# Altium PCB 键盘.PcbDoc (part 2 of 10) (continued)
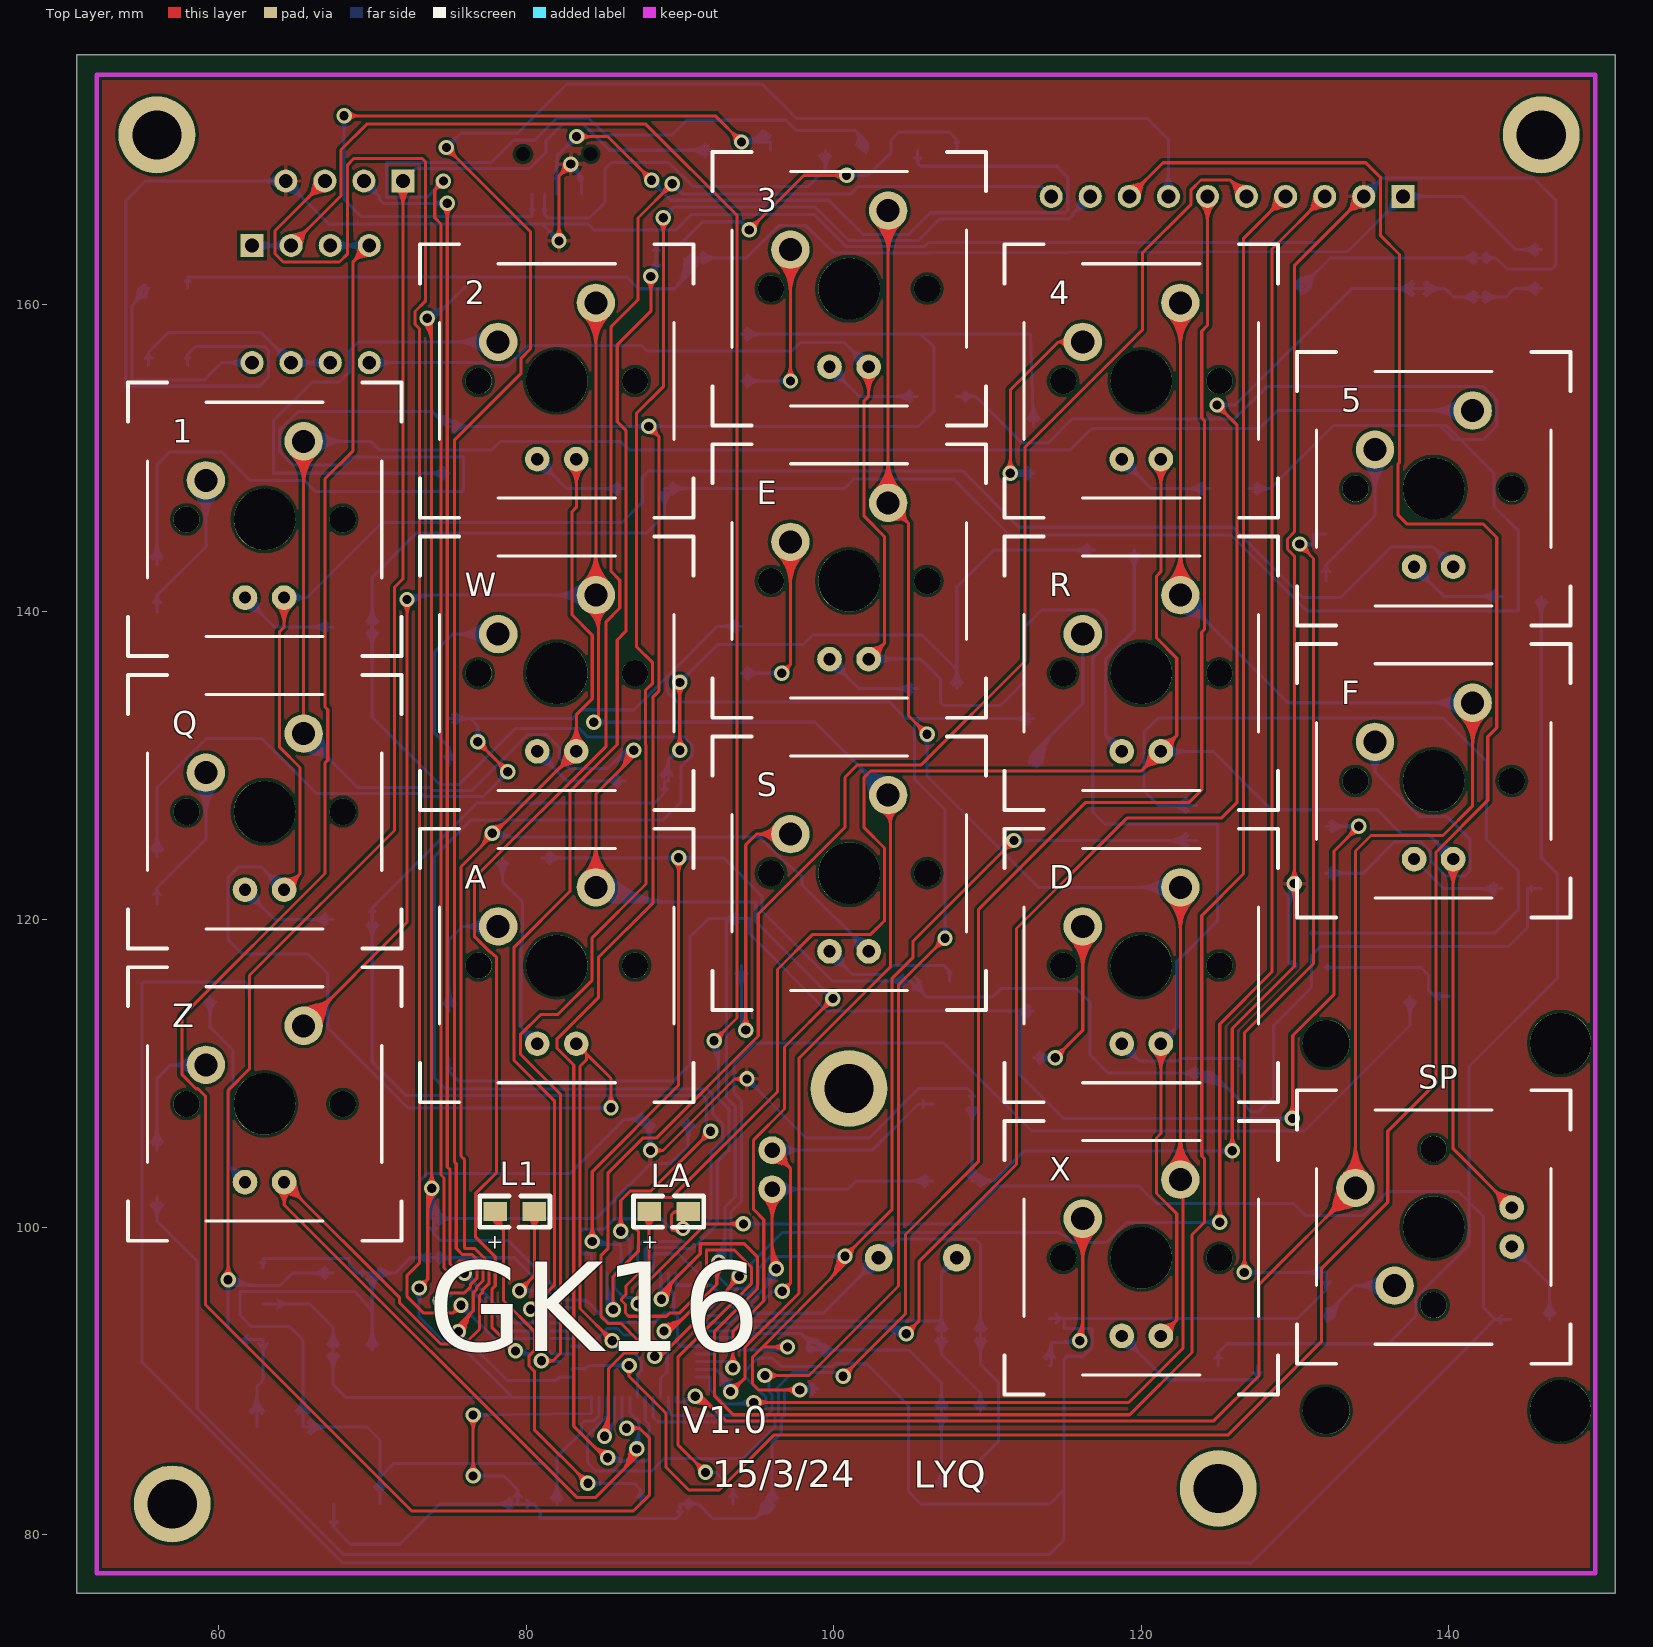
[diagram p0: Top Layer view]
## Nets (pads, with @x,y where several pads share a name; then routed paths per layer and width w, separated by ;. In a path a pad name is that pad's centre, name@x,y a point inside that pad or via, vN(x,y) a via of type N, cw(c..) or ccw(c..) an arc to the next point about the centre after c; other vN are vias at no path point) (continued)
; 107,89.267 ccw(c108.267,89.267) C4.1@107.371,88.371 ; C1.1@108.629,103.371 ccw(c107.733,104.267) 109,104.267 ; C1.1@108.629,103.371 ccw(c107.733,104.267) 109,104.267 ; C1.1@108.629,103.371 ccw(c107.733,104.267) 109,104.267 ; C2.1@108.629,107.629 cw(c107.733,106.733) 109,106.733 ; C2.1@108.629,107.629 cw(c107.733,106.733) 109,106.733 ; C2.1@108.629,107.629 cw(c107.733,106.733) 109,106.733 ; C1.1@108.77,103.23 ccw(c108.215,103.785) 109,103.785 ; C1.1@108.77,103.23 ccw(c108.215,103.785) 109,103.785 ; C1.1@108.77,103.23 ccw(c108.215,103.785) 109,103.785 ; C2.1@108.77,107.77 cw(c108.215,107.215) 109,107.215 ; C2.1@108.77,107.77 cw(c108.215,107.215) 109,107.215 ; C2.1@108.77,107.77 cw(c108.215,107.215) 109,107.215 ; C2.1@108.845,108.502 ccw(c108.78,108.712) 109,108.712 ; C2.1@108.845,108.502 ccw(c108.78,108.712) 109,108.712 ; C2.1@108.845,108.502 ccw(c108.78,108.712) 109,108.712 ; 109,103.785 ccw(c109.785,103.785) C1.1@109.23,103.23 ; 109,103.785 ccw(c109.785,103.785) C1.1@109.23,103.23 ; 109,103.785 ccw(c109.785,103.785) C1.1@109.23,103.23 ; 109,104.267 ccw(c110.267,104.267) C1.1@109.371,103.371 ; 109,104.267 ccw(c110.267,104.267) C1.1@109.371,103.371 ; 109,104.267 ccw(c110.267,104.267) C1.1@109.371,103.371 ; 109,106.733 cw(c110.267,106.733) C2.1@109.371,107.629 ; 109,106.733 cw(c110.267,106.733) C2.1@109.371,107.629 ; 109,106.733 cw(c110.267,106.733) C2.1@109.371,107.629 ; 109,107.215 cw(c109.785,107.215) C2.1@109.23,107.77 ; 109,107.215 cw(c109.785,107.215) C2.1@109.23,107.77 ; 109,107.215 cw(c109.785,107.215) C2.1@109.23,107.77 ; 109,108.712 ccw(c109.22,108.712) C2.1@109.155,108.502 ; 109,108.712 ccw(c109.22,108.712) C2.1@109.155,108.502 ; 109,108.712 ccw(c109.22,108.712) C2.1@109.155,108.502 ; C1.1@109.367,102.77 cw(c109.922,102.215) 109.922,103 ; C1.1@109.367,102.77 cw(c109.922,102.215) 109.922,103 ; C1.1@109.367,102.77 cw(c109.922,102.215) 109.922,103 ; C1.1@109.367,103.23 ccw(c109.922,103.785) 109.922,103 ; C1.1@109.367,103.23 ccw(c109.922,103.785) 109.922,103 ; C1.1@109.367,103.23 ccw(c109.922,103.785) 109.922,103 ; C1.1@109.508,102.629 cw(c110.404,101.733) 110.404,103 ; C1.1@109.508,102.629 cw(c110.404,101.733) 110.404,103 ; C1.1@109.508,102.629 cw(c110.404,101.733) 110.404,103 ; C1.1@109.508,103.371 ccw(c110.404,104.267) 110.404,103 ; C1.1@109.508,103.371 ccw(c110.404,104.267) 110.404,103 ; C1.1@109.508,103.371 ccw(c110.404,104.267) 110.404,103 ; 124.942,104.953 cw(c124.942,103.987) v1@125.625,104.67 ; 124.942,104.953 ccw(c124.942,105.918) v1@125.625,105.236 ; 124.942,104.953 cw(c124.942,103.987) v1@125.625,104.67 ; 124.942,104.953 ccw(c124.942,105.918) v1@125.625,105.236 ; 124.942,104.953 cw(c124.942,103.987) v1@125.625,104.67 ; 124.942,104.953 ccw(c124.942,105.918) v1@125.625,105.236 ; 129.591,117.145 cw(c129.591,116.706) Q1.2@129.906,117.011 ; 129.591,117.145 ccw(c129.591,117.561) Q1.2@129.901,117.283 ; 129.591,117.145 cw(c129.591,116.706) Q1.2@129.906,117.011 ; 129.591,117.145 ccw(c129.591,117.561) Q1.2@129.901,117.283 ; 129.591,117.145 cw(c129.591,116.706) Q1.2@129.906,117.011 ; 129.591,117.145 ccw(c129.591,117.561) Q1.2@129.901,117.283 ; 129.591,117.145 129.591,121.971 v1(129.946,122.326) ; 129.591,120.502 cw(c131.771,120.502) v1@130.229,122.044 ; 129.591,120.502 cw(c131.771,120.502) v1@130.229,122.044 ; 129.591,120.502 cw(c131.771,120.502) v1@130.229,122.044 ; 129.591,120.985 cw(c131.288,120.985) v1@130.088,122.185 ; 129.591,120.985 cw(c131.288,120.985) v1@130.088,122.185 ; 129.591,120.985 cw(c131.288,120.985) v1@130.088,122.185 ; 129.591,121.468 cw(c130.805,121.468) v1(129.946,122.326) ; 129.591,121.468 cw(c130.805,121.468) v1(129.946,122.326) ; 129.591,121.468 cw(c130.805,121.468) v1(129.946,122.326) ; 129.591,121.951 cw(c130.322,121.951) v1@129.805,122.468 ; 129.591,121.951 cw(c130.322,121.951) v1@129.805,122.468 ; 129.591,121.951 cw(c130.322,121.951) v1@129.805,122.468 ; v1@129.619,122.097 cw(c129.378,121.929) 129.632,121.782 ; v1@129.619,122.097 cw(c129.378,121.929) 129.632,121.782 ; v1@129.619,122.097 cw(c129.378,121.929) 129.632,121.782 ; 129.632,121.782 cw(c129.887,121.635) v1@129.912,121.928 ; 129.632,121.782 cw(c129.887,121.635) v1@129.912,121.928 ; 129.632,121.782 cw(c129.887,121.635) v1@129.912,121.928 ; v1@129.648,122.059 cw(c129.305,121.752) 129.704,121.521 ; v1@129.648,122.059 cw(c129.305,121.752) 129.704,121.521 ; v1@129.648,122.059 cw(c129.305,121.752) 129.704,121.521 ; v1@129.724,121.994 cw(c129.501,121.662) 129.836,121.443 ; v1@129.724,121.994 cw(c129.501,121.662) 129.836,121.443 ; v1@129.724,121.994 cw(c129.501,121.662) 129.836,121.443 ; v1@129.797,122.193 cw(c129.521,121.945) 129.842,121.76 ; v1@129.797,122.193 cw(c129.521,121.945) 129.842,121.76 ; v1@129.797,122.193 cw(c129.521,121.945) 129.842,121.76 ; v1@129.835,122.16 cw(c129.614,121.83) 129.946,121.612 ; v1@129.835,122.16 cw(c129.614,121.83) 129.946,121.612 ; v1@129.835,122.16 cw(c129.614,121.83) 129.946,121.612 ; 129.864,121.797 cw(c130.129,121.644) v1@130.05,121.94 ; 129.864,121.797 cw(c130.129,121.644) v1@130.05,121.94 ; 129.864,121.797 cw(c130.129,121.644) v1@130.05,121.94 ; v1(129.946,122.326) cw(c129.726,121.998) 130.057,121.781 ; v1(129.946,122.326) cw(c129.726,121.998) 130.057,121.781 ; v1(129.946,122.326) cw(c129.726,121.998) 130.057,121.781 ; S1.2@129.97,161.068 cw(c130.835,160.891) S1.2@130.607,161.744 ; S1.2@129.97,161.068 cw(c130.835,160.891) S1.2@130.607,161.744 ; S1.2@129.97,161.068 cw(c130.835,160.891) S1.2@130.607,161.744 ; S1.2@130.166,161.028 cw(c131.19,160.818) 130.919,161.828 ; S1.2@130.166,161.028 cw(c131.19,160.818) 130.919,161.828 ; S1.2@130.166,161.028 cw(c131.19,160.818) 130.919,161.828 ; S1.2@130.301,161.462 ccw(c130.301,162.577) 131.09,161.789 ; S1.2@130.301,161.462 ccw(c130.301,162.577) 131.09,161.789 ; S1.2@130.301,161.462 ccw(c130.301,162.577) 131.09,161.789 ; S1.2@130.301,161.662 ccw(c130.301,163.26) 131.431,162.13 ; S1.2@130.301,161.662 ccw(c130.301,163.26) 131.431,162.13 ; S1.2@130.301,161.662 ccw(c130.301,163.26) 131.431,162.13 ; S1.2@130.329,160.865 ccw(c130.119,161.889) 131.129,161.618 ; S1.2@130.329,160.865 ccw(c130.119,161.889) 131.129,161.618 ; S1.2@130.329,160.865 ccw(c130.119,161.889) 131.129,161.618 ; S1.2@130.369,160.669 ccw(c130.192,161.534) S1.2@131.045,161.306 ; S1.2@130.369,160.669 ccw(c130.192,161.534) S1.2@131.045,161.306 ; S1.2@130.369,160.669 ccw(c130.192,161.534) S1.2@131.045,161.306 ; S1.2@130.763,161 cw(c131.878,161) 131.09,161.789 ; S1.2@130.763,161 cw(c131.878,161) 131.09,161.789 ; S1.2@130.763,161 cw(c131.878,161) 131.09,161.789 ; S1.2@130.963,161 cw(c132.561,161) 131.431,162.13 ; S1.2@130.963,161 cw(c132.561,161) 131.431,162.13 ; S1.2@130.963,161 cw(c132.561,161) 131.431,162.13 ; 133.35,165.89 cw(c134.46,164.781) P2.2@134.46,166.35 ; 133.35,165.89 ccw(c132.241,167) P2.2@133.81,167 ; 133.35,165.89 cw(c134.46,164.781) P2.2@134.46,166.35 ; 133.35,165.89 ccw(c132.241,167) P2.2@133.81,167 ; 133.35,165.89 cw(c134.46,164.781) P2.2@134.46,166.35 ; 133.35,165.89 ccw(c132.241,167) P2.2@133.81,167 ; 133.653,166.416 cw(c134.633,166.153) P2.2@134.43,167.147 ; 133.653,166.416 cw(c134.633,166.153) P2.2@134.43,167.147 ; 133.653,166.416 cw(c134.633,166.153) P2.2@134.43,167.147 ; 133.692,166.232 cw(c134.46,165.464) P2.2@134.46,166.55 ; 133.692,166.232 ccw(c132.924,167) P2.2@134.01,167 ; 133.692,166.232 cw(c134.46,165.464) P2.2@134.46,166.55 ; 133.692,166.232 ccw(c132.924,167) P2.2@134.01,167 ; 133.692,166.232 cw(c134.46,165.464) P2.2@134.46,166.55 ; 133.692,166.232 ccw(c132.924,167) P2.2@134.01,167 ; 133.737,166.728 cw(c134.561,166.507) P2.2@134.39,167.343 ; 133.737,166.728 cw(c134.561,166.507) P2.2@134.39,167.343 ; 133.737,166.728 cw(c134.561,166.507) P2.2@134.39,167.343 ; 133.876,166.193 ccw(c133.613,167.173) P2.2@134.607,166.97 ; 133.876,166.193 ccw(c133.613,167.173) P2.2@134.607,166.97 ; 133.876,166.193 ccw(c133.613,167.173) P2.2@134.607,166.97 ; P2.2@134.117,167.07 cw(c134.953,166.899) 134.732,167.723 ; P2.2@134.117,167.07 cw(c134.953,166.899) 134.732,167.723 ; P2.2@134.117,167.07 cw(c134.953,166.899) 134.732,167.723 ; 134.188,166.277 ccw(c133.967,167.101) P2.2@134.803,166.93 ; 134.188,166.277 ccw(c133.967,167.101) P2.2@134.803,166.93 ; 134.188,166.277 ccw(c133.967,167.101) P2.2@134.803,166.93 ; P2.2@134.313,167.03 cw(c135.307,166.827) 135.044,167.807 ; P2.2@134.313,167.03 cw(c135.307,166.827) 135.044,167.807 ; P2.2@134.313,167.03 cw(c135.307,166.827) 135.044,167.807 ; P2.2@134.46,167.45 ccw(c134.46,168.536) 135.228,167.768 ; P2.2@134.46,167.45 ccw(c134.46,168.536) 135.228,167.768 ; P2.2@134.46,167.45 ccw(c134.46,168.536) 135.228,167.768 ; P2.2@134.46,167.65 ccw(c134.46,169.219) 135.57,168.11 ; P2.2@134.46,167.65 ccw(c134.46,169.219) 135.57,168.11 ; P2.2@134.46,167.65 ccw(c134.46,169.219) 135.57,168.11 ; P2.2@134.49,166.853 ccw(c134.287,167.847) 135.267,167.584 ; P2.2@134.49,166.853 ccw(c134.287,167.847) 135.267,167.584 ; P2.2@134.49,166.853 ccw(c134.287,167.847) 135.267,167.584 ; P2.2@134.53,166.657 ccw(c134.359,167.493) 135.183,167.272 ; P2.2@134.53,166.657 ccw(c134.359,167.493) 135.183,167.272 ; P2.2@134.53,166.657 ccw(c134.359,167.493) 135.183,167.272 ; P2.2@134.91,167 cw(c135.996,167) 135.228,167.768 ; P2.2@134.91,167 cw(c135.996,167) 135.228,167.768 ; P2.2@134.91,167 cw(c135.996,167) 135.228,167.768 ; P2.2@135.11,167 cw(c136.679,167) 135.57,168.11 ; P2.2@135.11,167 cw(c136.679,167) 135.57,168.11 ; P2.2@135.11,167 cw(c136.679,167) 135.57,168.11 ; 140.733,163 cw(c140.733,161.733) C5.1@141.629,162.629 ; 140.733,163 ccw(c140.733,164.267) C5.1@141.629,163.371 ; 140.733,163 cw(c140.733,161.733) C5.1@141.629,162.629 ; 140.733,163 ccw(c140.733,164.267) C5.1@141.629,163.371 ; 140.733,163 cw(c140.733,161.733) C5.1@141.629,162.629 ; 140.733,163 ccw(c140.733,164.267) C5.1@141.629,163.371 ; 141.215,163 cw(c141.215,162.215) C5.1@141.77,162.77 ; 141.215,163 ccw(c141.215,163.785) C5.1@141.77,163.23 ; 141.215,163 cw(c141.215,162.215) C5.1@141.77,162.77 ; 141.215,163 ccw(c141.215,163.785) C5.1@141.77,163.23 ; 141.215,163 cw(c141.215,162.215) C5.1@141.77,162.77 ; 141.215,163 ccw(c141.215,163.785) C5.1@141.77,163.23 ; C5.1@142.26,162.804 cw(c142.652,162.509) 142.652,163 ; C5.1@142.26,162.804 cw(c142.652,162.509) 142.652,163 ; C5.1@142.26,162.804 cw(c142.652,162.509) 142.652,163 ; C5.1@142.26,163.196 ccw(c142.652,163.491) 142.652,163 ; C5.1@142.26,163.196 ccw(c142.652,163.491) 142.652,163 ; C5.1@142.26,163.196 ccw(c142.652,163.491) 142.652,163 ; C5.1@142.419,162.684 cw(c143.053,162.207) 143.053,163 ; C5.1@142.419,162.684 cw(c143.053,162.207) 143.053,163 ; C5.1@142.419,162.684 cw(c143.053,162.207) 143.053,163 ; C5.1@142.419,163.316 ccw(c143.053,163.793) 143.053,163 ; C5.1@142.419,163.316 ccw(c143.053,163.793) 143.053,163 ; C5.1@142.419,163.316 ccw(c143.053,163.793) 143.053,163
Net1_1: 1.1 D1.2 | length 51.8
  Bottom Layer w0.2: D1.2@56,140 56,141.039 ; 1.1@59.19,148.54 59.19,144.229 56,141.039 ; D1.2@55.739,140.594 ccw(c55.49,141.039) 56,141.039 ; D1.2@55.739,140.594 ccw(c55.49,141.039) 56,141.039 ; D1.2@55.739,140.594 ccw(c55.49,141.039) 56,141.039 ; 56,141.039 ccw(c56.51,141.039) D1.2@56.261,140.594 ; 56,141.039 ccw(c56.51,141.039) D1.2@56.261,140.594 ; 56,141.039 ccw(c56.51,141.039) D1.2@56.261,140.594 ; 1.1@58.377,147.727 cw(c56.414,145.764) 59.19,145.764 ; 1.1@58.377,147.727 cw(c56.414,145.764) 59.19,145.764 ; 1.1@58.377,147.727 cw(c56.414,145.764) 59.19,145.764 ; 1.1@58.518,147.868 cw(c56.897,146.247) 59.19,146.247 ; 1.1@58.518,147.868 cw(c56.897,146.247) 59.19,146.247 ; 1.1@58.518,147.868 cw(c56.897,146.247) 59.19,146.247 ; 1.1@58.66,148.01 cw(c57.379,146.729) 59.19,146.729 ; 1.1@58.66,148.01 cw(c57.379,146.729) 59.19,146.729 ; 1.1@58.66,148.01 cw(c57.379,146.729) 59.19,146.729 ; 1.1@58.801,148.151 cw(c57.862,147.212) 59.19,147.212 ; 1.1@58.801,148.151 cw(c57.862,147.212) 59.19,147.212 ; 1.1@58.801,148.151 cw(c57.862,147.212) 59.19,147.212 ; 59.19,145.764 cw(c61.966,145.764) 1.1@60.003,147.727 ; 59.19,145.764 cw(c61.966,145.764) 1.1@60.003,147.727 ; 59.19,145.764 cw(c61.966,145.764) 1.1@60.003,147.727 ; 59.19,146.247 cw(c61.484,146.247) 1.1@59.862,147.868 ; 59.19,146.247 cw(c61.484,146.247) 1.1@59.862,147.868 ; 59.19,146.247 cw(c61.484,146.247) 1.1@59.862,147.868 ; 59.19,146.729 cw(c61.001,146.729) 1.1@59.72,148.01 ; 59.19,146.729 cw(c61.001,146.729) 1.1@59.72,148.01 ; 59.19,146.729 cw(c61.001,146.729) 1.1@59.72,148.01 ; 59.19,147.212 cw(c60.518,147.212) 1.1@59.579,148.151 ; 59.19,147.212 cw(c60.518,147.212) 1.1@59.579,148.151 ; 59.19,147.212 cw(c60.518,147.212) 1.1@59.579,148.151
Net1_A: 1.A R1.2 | length 43.9
  Bottom Layer w0.2: 1.A@61.73,140.92 63.65,139 R1.2@67.46,139 ; 1.A@61.436,140.86 ccw(c62.397,141.057) 62.143,140.109 ; 1.A@61.436,140.86 ccw(c62.397,141.057) 62.143,140.109 ; 1.A@61.436,140.86 ccw(c62.397,141.057) 62.143,140.109 ; 1.A@61.632,140.9 ccw(c62.751,141.129) 62.456,140.026 ; 1.A@61.632,140.9 ccw(c62.751,141.129) 62.456,140.026 ; 1.A@61.632,140.9 ccw(c62.751,141.129) 62.456,140.026 ; 1.A@61.73,140.22 cw(c61.73,138.53) 62.925,139.725 ; 1.A@61.73,140.22 cw(c61.73,138.53) 62.925,139.725 ; 1.A@61.73,140.22 cw(c61.73,138.53) 62.925,139.725 ; 1.A@61.73,140.42 cw(c61.73,139.213) 62.584,140.066 ; 1.A@61.73,140.42 cw(c61.73,139.213) 62.584,140.066 ; 1.A@61.73,140.42 cw(c61.73,139.213) 62.584,140.066 ; 1.A@61.75,141.018 cw(c61.521,139.899) 62.624,140.194 ; 1.A@61.75,141.018 cw(c61.521,139.899) 62.624,140.194 ; 1.A@61.75,141.018 cw(c61.521,139.899) 62.624,140.194 ; 1.A@61.79,141.214 cw(c61.593,140.253) 62.541,140.507 ; 1.A@61.79,141.214 cw(c61.593,140.253) 62.541,140.507 ; 1.A@61.79,141.214 cw(c61.593,140.253) 62.541,140.507 ; 1.A@62.23,140.92 ccw(c63.437,140.92) 62.584,140.066 ; 1.A@62.23,140.92 ccw(c63.437,140.92) 62.584,140.066 ; 1.A@62.23,140.92 ccw(c63.437,140.92) 62.584,140.066 ; 1.A@62.43,140.92 ccw(c64.12,140.92) 62.925,139.725 ; 1.A@62.43,140.92 ccw(c64.12,140.92) 62.925,139.725 ; 1.A@62.43,140.92 ccw(c64.12,140.92) 62.925,139.725 ; 66.056,139 cw(c66.056,137.733) R1.2@66.952,138.629 ; 66.056,139 ccw(c66.056,140.267) R1.2@66.952,139.371 ; 66.056,139 cw(c66.056,137.733) R1.2@66.952,138.629 ; 66.056,139 ccw(c66.056,140.267) R1.2@66.952,139.371 ; 66.056,139 cw(c66.056,137.733) R1.2@66.952,138.629 ; 66.056,139 ccw(c66.056,140.267) R1.2@66.952,139.371 ; 66.538,139 cw(c66.538,138.215) R1.2@67.093,138.77 ; 66.538,139 ccw(c66.538,139.785) R1.2@67.093,139.23 ; 66.538,139 cw(c66.538,138.215) R1.2@67.093,138.77 ; 66.538,139 ccw(c66.538,139.785) R1.2@67.093,139.23 ; 66.538,139 cw(c66.538,138.215) R1.2@67.093,138.77 ; 66.538,139 ccw(c66.538,139.785) R1.2@67.093,139.23
Net2_1: 2.1 D2.2 | length 80.9
  Bottom Layer w0.2: D2.2@75,149 63.599,149 63.59,149.009 63.59,152.439 66.091,154.94 67.869,154.94 68.529,155.6 68.529,156.972 69.097,157.54 2.1@78.19,157.54 ; 73.708,149 cw(c73.708,147.708) D2.2@74.622,148.622 ; 73.708,149 ccw(c73.708,150.292) D2.2@74.622,149.378 ; 73.708,149 cw(c73.708,147.708) D2.2@74.622,148.622 ; 73.708,149 ccw(c73.708,150.292) D2.2@74.622,149.378 ; 73.708,149 cw(c73.708,147.708) D2.2@74.622,148.622 ; 73.708,149 ccw(c73.708,150.292) D2.2@74.622,149.378 ; 74.191,149 cw(c74.191,148.191) D2.2@74.763,148.763 ; 74.191,149 ccw(c74.191,149.809) D2.2@74.763,149.237 ; 74.191,149 cw(c74.191,148.191) D2.2@74.763,148.763 ; 74.191,149 ccw(c74.191,149.809) D2.2@74.763,149.237 ; 74.191,149 cw(c74.191,148.191) D2.2@74.763,148.763 ; 74.191,149 ccw(c74.191,149.809) D2.2@74.763,149.237 ; 75.414,157.54 cw(c75.414,154.764) 2.1@77.377,156.727 ; 75.414,157.54 ccw(c75.414,160.316) 2.1@77.377,158.353 ; 75.414,157.54 cw(c75.414,154.764) 2.1@77.377,156.727 ; 75.414,157.54 ccw(c75.414,160.316) 2.1@77.377,158.353 ; 75.414,157.54 cw(c75.414,154.764) 2.1@77.377,156.727 ; 75.414,157.54 ccw(c75.414,160.316) 2.1@77.377,158.353 ; 75.896,157.54 cw(c75.896,155.246) 2.1@77.518,156.868 ; 75.896,157.54 ccw(c75.896,159.833) 2.1@77.518,158.212 ; 75.896,157.54 cw(c75.896,155.246) 2.1@77.518,156.868 ; 75.896,157.54 ccw(c75.896,159.833) 2.1@77.518,158.212 ; 75.896,157.54 cw(c75.896,155.246) 2.1@77.518,156.868 ; 75.896,157.54 ccw(c75.896,159.833) 2.1@77.518,158.212 ; 76.379,157.54 cw(c76.379,155.729) 2.1@77.66,157.01 ; 76.379,157.54 ccw(c76.379,159.351) 2.1@77.66,158.07 ; 76.379,157.54 cw(c76.379,155.729) 2.1@77.66,157.01 ; 76.379,157.54 ccw(c76.379,159.351) 2.1@77.66,158.07 ; 76.379,157.54 cw(c76.379,155.729) 2.1@77.66,157.01 ; 76.379,157.54 ccw(c76.379,159.351) 2.1@77.66,158.07 ; 76.862,157.54 cw(c76.862,156.212) 2.1@77.801,157.151 ; 76.862,157.54 ccw(c76.862,158.868) 2.1@77.801,157.929 ; 76.862,157.54 cw(c76.862,156.212) 2.1@77.801,157.151 ; 76.862,157.54 ccw(c76.862,158.868) 2.1@77.801,157.929 ; 76.862,157.54 cw(c76.862,156.212) 2.1@77.801,157.151 ; 76.862,157.54 ccw(c76.862,158.868) 2.1@77.801,157.929
Net2_A: 2.A R2.2 | length 43.9
  Bottom Layer w0.2: 2.A@80.73,149.92 82.65,148 R2.2@86.46,148 ; 2.A@80.436,149.86 ccw(c81.397,150.057) 81.143,149.109 ; 2.A@80.436,149.86 ccw(c81.397,150.057) 81.143,149.109 ; 2.A@80.436,149.86 ccw(c81.397,150.057) 81.143,149.109 ; 2.A@80.632,149.9 ccw(c81.751,150.129) 81.456,149.026 ; 2.A@80.632,149.9 ccw(c81.751,150.129) 81.456,149.026 ; 2.A@80.632,149.9 ccw(c81.751,150.129) 81.456,149.026 ; 2.A@80.73,149.22 cw(c80.73,147.53) 81.925,148.725 ; 2.A@80.73,149.22 cw(c80.73,147.53) 81.925,148.725 ; 2.A@80.73,149.22 cw(c80.73,147.53) 81.925,148.725 ; 2.A@80.73,149.42 cw(c80.73,148.213) 81.584,149.066 ; 2.A@80.73,149.42 cw(c80.73,148.213) 81.584,149.066 ; 2.A@80.73,149.42 cw(c80.73,148.213) 81.584,149.066 ; 2.A@80.75,150.018 cw(c80.521,148.899) 81.624,149.194 ; 2.A@80.75,150.018 cw(c80.521,148.899) 81.624,149.194 ; 2.A@80.75,150.018 cw(c80.521,148.899) 81.624,149.194 ; 2.A@80.79,150.214 cw(c80.593,149.253) 81.541,149.507 ; 2.A@80.79,150.214 cw(c80.593,149.253) 81.541,149.507 ; 2.A@80.79,150.214 cw(c80.593,149.253) 81.541,149.507 ; 2.A@81.23,149.92 ccw(c82.437,149.92) 81.584,149.066 ; 2.A@81.23,149.92 ccw(c82.437,149.92) 81.584,149.066 ; 2.A@81.23,149.92 ccw(c82.437,149.92) 81.584,149.066 ; 2.A@81.43,149.92 ccw(c83.12,149.92) 81.925,148.725 ; 2.A@81.43,149.92 ccw(c83.12,149.92) 81.925,148.725 ; 2.A@81.43,149.92 ccw(c83.12,149.92) 81.925,148.725 ; 85.056,148 cw(c85.056,146.733) R2.2@85.952,147.629 ; 85.056,148 ccw(c85.056,149.267) R2.2@85.952,148.371 ; 85.056,148 cw(c85.056,146.733) R2.2@85.952,147.629 ; 85.056,148 ccw(c85.056,149.267) R2.2@85.952,148.371 ; 85.056,148 cw(c85.056,146.733) R2.2@85.952,147.629 ; 85.056,148 ccw(c85.056,149.267) R2.2@85.952,148.371 ; 85.538,148 cw(c85.538,147.215) R2.2@86.093,147.77 ; 85.538,148 ccw(c85.538,148.785) R2.2@86.093,148.23 ; 85.538,148 cw(c85.538,147.215) R2.2@86.093,147.77 ; 85.538,148 ccw(c85.538,148.785) R2.2@86.093,148.23 ; 85.538,148 cw(c85.538,147.215) R2.2@86.093,147.77 ; 85.538,148 ccw(c85.538,148.785) R2.2@86.093,148.23
Net3_1: 3.1 D3.2 | length 69.4
  Top Layer w0.2: v1(97.19,155) 3.1@97.19,163.54 ; 3.1@96.377,162.727 cw(c94.414,160.764) 97.19,160.764 ; 3.1@96.377,162.727 cw(c94.414,160.764) 97.19,160.764 ; 3.1@96.377,162.727 cw(c94.414,160.764) 97.19,160.764 ; 3.1@96.518,162.868 cw(c94.896,161.246) 97.19,161.246 ; 3.1@96.518,162.868 cw(c94.896,161.246) 97.19,161.246 ; 3.1@96.518,162.868 cw(c94.896,161.246) 97.19,161.246 ; 3.1@96.66,163.01 cw(c95.379,161.729) 97.19,161.729 ; 3.1@96.66,163.01 cw(c95.379,161.729) 97.19,161.729 ; 3.1@96.66,163.01 cw(c95.379,161.729) 97.19,161.729 ; 3.1@96.801,163.151 cw(c95.862,162.212) 97.19,162.212 ; 3.1@96.801,163.151 cw(c95.862,162.212) 97.19,162.212 ; 3.1@96.801,163.151 cw(c95.862,162.212) 97.19,162.212 ; v1@96.907,155.283 ccw(c96.224,155.966) 97.19,155.966 ; v1@96.907,155.283 ccw(c96.224,155.966) 97.19,155.966 ; v1@96.907,155.283 ccw(c96.224,155.966) 97.19,155.966 ; 97.19,155.966 ccw(c98.156,155.966) v1@97.473,155.283 ; 97.19,155.966 ccw(c98.156,155.966) v1@97.473,155.283 ; 97.19,155.966 ccw(c98.156,155.966) v1@97.473,155.283 ; 97.19,160.764 cw(c99.966,160.764) 3.1@98.003,162.727 ; 97.19,160.764 cw(c99.966,160.764) 3.1@98.003,162.727 ; 97.19,160.764 cw(c99.966,160.764) 3.1@98.003,162.727 ; 97.19,161.246 cw(c99.484,161.246) 3.1@97.862,162.868 ; 97.19,161.246 cw(c99.484,161.246) 3.1@97.862,162.868 ; 97.19,161.246 cw(c99.484,161.246) 3.1@97.862,162.868 ; 97.19,161.729 cw(c99.001,161.729) 3.1@97.72,163.01 ; 97.19,161.729 cw(c99.001,161.729) 3.1@97.72,163.01 ; 97.19,161.729 cw(c99.001,161.729) 3.1@97.72,163.01 ; 97.19,162.212 cw(c98.518,162.212) 3.1@97.579,163.151 ; 97.19,162.212 cw(c98.518,162.212) 3.1@97.579,163.151 ; 97.19,162.212 cw(c98.518,162.212) 3.1@97.579,163.151
  Bottom Layer w0.2: D3.2@94,155 v1(97.19,155) ; D3.2@94.237,154.763 cw(c94.809,154.191) 94.809,155 ; D3.2@94.237,154.763 cw(c94.809,154.191) 94.809,155 ; D3.2@94.237,154.763 cw(c94.809,154.191) 94.809,155 ; D3.2@94.237,155.237 ccw(c94.809,155.809) 94.809,155 ; D3.2@94.237,155.237 ccw(c94.809,155.809) 94.809,155 ; D3.2@94.237,155.237 ccw(c94.809,155.809) 94.809,155 ; D3.2@94.378,154.622 cw(c95.292,153.708) 95.292,155 ; D3.2@94.378,154.622 cw(c95.292,153.708) 95.292,155 ; D3.2@94.378,154.622 cw(c95.292,153.708) 95.292,155 ; D3.2@94.378,155.378 ccw(c95.292,156.292) 95.292,155 ; D3.2@94.378,155.378 ccw(c95.292,156.292) 95.292,155 ; D3.2@94.378,155.378 ccw(c95.292,156.292) 95.292,155 ; 96.224,155 cw(c96.224,154.034) v1@96.907,154.717 ; 96.224,155 ccw(c96.224,155.966) v1@96.907,155.283 ; 96.224,155 cw(c96.224,154.034) v1@96.907,154.717 ; 96.224,155 ccw(c96.224,155.966) v1@96.907,155.283 ; 96.224,155 cw(c96.224,154.034) v1@96.907,154.717 ; 96.224,155 ccw(c96.224,155.966) v1@96.907,155.283